# Allegro board RK_TABLET_DEMO1_RK3576_LP4XD200P132SD6_V12_20240530YWQ.brd (continued)
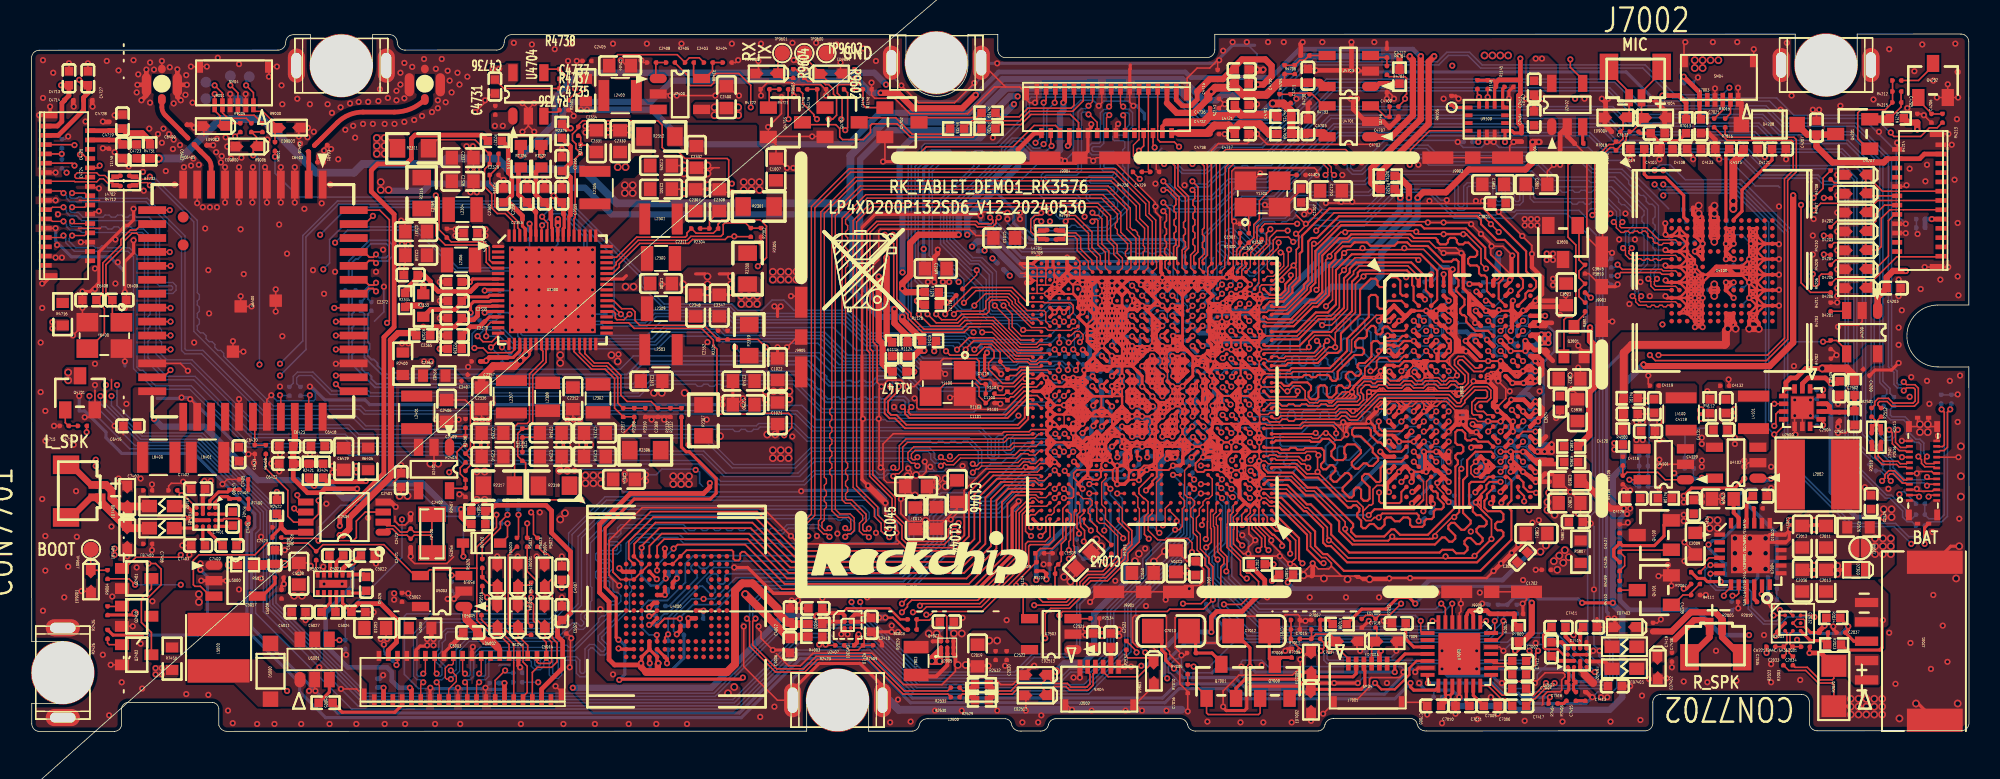
[diagram p0: board, top side]
## Routing (per net, layer and track width the routed paths; a pad name or vN(x,y) marks a point on that pad's centre or on a via; arc(x,y) is an arc through that point) (continued)
  BOTTOM w0.102: v1(76.23,8.51) 76.23,8.05 78.31,5.97 94.09,5.97 94.47,6.35 98.4,6.35 100.87,3.89 v1(100.87,3.83)
TP_INT: length 12.2
  TOP w0.102: J5000.35 32.31,3.81 32.64,4.14 33.56,4.14 33.91,4.5 33.91,5.71 33.61,6.02 33.61,8.86 33.12,9.35 ED5001.1 33.18,9.45 33.61,9.88 33.61,11.15 33.3,11.45 33.13,11.45 R5022.2
TP_INT_L: length 45.4
  TOP w0.102: R5022.1 32.39,12.75 32.39,13.99 v1(32.24,14.15) ; U1000.1AA22 67.22,27.07 67.22,27.51 67.03,27.7 65.33,27.7 65.28,27.74 64.21,27.74 63.27,28.68 60.68,28.68 v1(58.96,26.95)
  L4-SIG w0.089: 55,25.48 57.49,25.48 v1(58.96,26.95)
  L4-SIG w0.102: 55,25.48 49.96,20.45 47.07,20.45 44.48,17.86 33.86,17.86 33.15,17.14 33.15,15.06 v1(32.24,14.15)
TP_RST: length 9.8
  TOP w0.102: R5023.2 31.98,10.34 32.59,9.73 32.59,7.24 33.02,6.81 ED5000.1 33.12,6.2 33.56,5.77 33.56,4.5 33.45,4.39 32.72,4.39 32.61,4.5 J5000.36 32.61,5.08
TP_RST_L: length 43.3
  TOP w0.102: R5023.1 v1(31.98,13.44) ; U1000.1W23 v1(66.32,25.11)
  L4-SIG w0.089: 55,24.62 55.46,25.08 58.24,25.08 58.65,24.66 58.65,24.36 58.91,24.1 61.8,24.1 62.72,25.02 66.23,25.02 v1(66.32,25.11)
  L4-SIG w0.102: 55,24.62 50.42,20.04 47.27,20.04 44.68,17.45 34.06,17.45 33.56,16.94 33.56,13.99 32.95,13.39 32.03,13.39 v1(31.98,13.44)
TP_SCL/SPI_DI: length 9.2
  TOP w0.102: ED5002.1 31.39,6.18 32.01,5.56 J5000.34 ; ED5002.1 30.89,6.81 30.76,6.93 30.76,11.38 R5021.2 ; ED5002.1 31.95,6.25 R5018.2
TP_SDA/SPI_DO: length 10.2
  TOP w0.089: 31.71,4.48 31.71,5.45
  TOP w0.102: J5000.33 31.71,2.25 31.98,2.51 31.98,4.22 31.71,4.48 ; R5020.2 R5019.2 29.59,9.45 ED5003.1 30.07,9.4 30.56,8.91 30.56,6.6 31.71,5.45
TSADC_CTRL_M0: length 3
  TOP w0.089: 64.19,23.34 65.55,23.34 U1000.1R24
  TOP w0.102: R1107.2 63.14,22.99 63.53,22.99 63.88,23.34 64.19,23.34
TYPEC_CC1: length 13.5
  TOP w0.102: v1(122.41,15.16) 122.51,15.26 J2501.23 ; U2500.11 115.6,20.04 v1(115.6,19.79) 115.52,19.7 U2500.10
  L4-SIG w0.102: v1(115.6,19.79) 116.11,20.29 117.83,20.29 119.92,18.21 122.38,18.21 122.81,17.78 122.81,15.57 v1(122.41,15.16)
  BOTTOM w0.102: v1(115.6,19.79) 115.58,19.77 C2507.1
TYPEC_CC2: length 16
  TOP w0.102: U2500.14 115.6,21.79 v1(115.6,22.07) 115.55,22.12 U2500.1 ; v1(121.8,15.16) 121.69,15.26 J2501.2
  L4-SIG w0.102: v1(115.6,22.07) 116.41,22.07 120.07,18.41 122.48,18.41 123.02,17.88 123.02,14.96 122.71,14.66 122.3,14.66 v1(121.8,15.16)
  BOTTOM w0.102: v1(115.6,22.07) 115.22,22.07 C2506.1
TYPEC_DM: length 3.2
  TOP w0.102: R2516.2 119.31,18.68 L2501.1 119.31,18.22 119.15,18.06 119.15,17.79 119.49,17.45 120.42,17.45 120.58,17.29 120.98,17.29 121.05,17.36 J2501.8
TYPEC_DP: length 3.6
  TOP w0.102: R2510.2 118.76,18.68 L2501.3 118.76,18.3 118.95,18.11 118.95,17.7 119.41,17.25 120.34,17.25 120.5,17.09 120.94,17.09 121.01,17.01 J2501.7
TYPEC_DPTX_AUX_PUPDCTL1: length 66.6
  TOP w0.089: U1000.AL3 78.92,30.74 79.67,31.5
  TOP w0.102: 79.67,31.5 79.68,31.51 79.68,32.18 v1(79.94,32.44)
  L4-SIG w0.102: v1(79.94,32.44) 80.09,32.59 80.09,34.52 82.83,37.26 87.4,37.26 88.62,36.04 104.32,36.04 104.47,35.89 104.93,35.89 v1(105.29,36.25)
  BOTTOM w0.102: v1(105.29,36.25) 105.33,36.25 106.2,35.38 110.21,35.38 113.31,32.28 113.31,17.58 117.46,13.44 120.27,13.44 121.13,12.58 R2500.1
TYPEC_DPTX_AUX_PUPDCTL2: length 70.7
  TOP w0.089: U1000.AK1 79.96,29.67 79.74,29.89 79.74,30.54 80.27,31.07 80.27,31.07 80.44,31.24 80.44,31.5
  TOP w0.102: 80.44,31.5 80.44,31.55 v1(80.47,31.58)
  L4-SIG w0.102: v1(80.47,31.58) 80.47,31.59 80.29,31.77 80.29,34.37 82.32,36.4 87.96,36.4 88.52,35.84 104.17,35.84 104.32,35.69 104.93,35.69 v1(105.29,35.33) ; v1(121.29,12.12) 121.29,14.45 120.58,15.16 120.58,15.26 v1(120.53,15.32)
  BOTTOM w0.102: R2502.1 120.84,15.48 120.69,15.48 v1(120.53,15.32) ; v1(121.29,12.12) 120.17,13.23 117.38,13.23 113.11,17.5 113.11,32.18 110.11,35.18 105.44,35.18 v1(105.29,35.33)
TYPEC_SBU1: length 13.2
  TOP w0.102: J2501.15 123.07,18.06 123.15,18.14 123.4,18.14 123.62,18.36 123.62,20.62 v1(123.8,20.8)
  BOTTOM w0.102: R2503.1 123.88,20.88 v1(123.8,20.8) 123.62,20.62 123.62,13.89 123.32,13.59 123.3,13.59 123.25,13.54 122.4,13.54 C2500.2 R2500.2
TYPEC_SBU2: length 12.4
  TOP w0.102: v1(123.24,20.8) 123.42,20.62 123.42,18.51 123.31,18.4 123.08,18.4 123.07,18.41 J2501.14
  BOTTOM w0.102: R2504.1 123.22,20.83 v1(123.24,20.8) 123.42,20.62 123.42,13.99 123.17,13.74 122.42,13.74 C2501.2 R2502.2
TYPEC_TX1N: length 6.6
  TOP w0.102: v1(121.75,17.75) 121.95,17.55 121.95,17.31 122.17,17.09 122.76,17.09 122.84,17.01 J2501.18
  BOTTOM w0.102: v1(121.75,17.75) 121.9,17.91 121.9,18.54 121.77,18.67 121.51,18.67 120.98,19.19 120.98,19.94 120.8,20.12 119.96,20.12 119.74,20.34 119.74,20.81 C2508.2
TYPEC_TX1P: length 6.3
  TOP w0.102: v1(122.3,17.75) 122.15,17.6 122.15,17.4 122.25,17.3 122.76,17.3 122.83,17.36 J2501.17
  BOTTOM w0.102: v1(122.3,17.75) 122.1,17.96 122.1,18.63 121.85,18.87 121.59,18.87 121.19,19.28 121.19,20.02 120.88,20.33 120.04,20.33 119.94,20.43 119.94,20.81 C2509.2
TYPEC_TX2N: length 3.6
  TOP w0.102: J2501.5 121.07,16.31 120.99,16.24 120.8,16.24 120.2,16.84 119.84,16.84 119.59,16.58 119.59,16.36 v1(119.41,16.18)
  BOTTOM w0.102: C2510.2 119.27,16.84 119.56,16.55 119.56,16.33 v1(119.41,16.18)
TYPEC_TX2P: length 3.4
  TOP w0.102: J2501.4 120.99,15.96 120.92,16.04 120.72,16.04 120.12,16.64 119.92,16.64 119.79,16.5 119.79,16.36 v1(119.97,16.18)
  BOTTOM w0.102: C2511.2 119.45,16.95 119.76,16.64 119.76,16.38 v1(119.97,16.18)
UART0_RX: length 2.7
  TOP w0.102: 48.16,42.47 48.41,42.22 R9603.2 ; 48.16,42.47 48.12,42.51 ED9600.1 ; 48.16,42.47 48.16,43.54 TP9601.1
UART0_RX_M0_DEBUG: length 36.3
  TOP w0.089: 61.24,26.34 61.96,26.34 63.68,24.63 63.87,24.63 65.07,24.63 U1000.AA28
  TOP w0.102: v1(51.44,39.55) 51.69,39.55 51.95,39.8 51.95,40.97 51.74,41.17 51.74,41.48 51.44,41.78 51.23,41.78 51.03,41.99 50.1,41.99 R9604.1 49.31,42.77 R9603.1 ; v1(55.58,32.08) 55.83,31.83 55.83,27.91 56.75,27 56.75,26.82 57.58,25.98 60.02,25.98 60.38,26.34 61.24,26.34 61.24,26.34
  L4-SIG w0.102: v1(55.58,32.08) 55.23,32.44 54.23,32.44 53.52,33.15 53.5,33.15 48.09,38.56 48.09,39.95 48.44,40.31 50.73,40.31 51.44,39.6 v1(51.44,39.55)
UART0_TX: length 4.3
  TOP w0.102: TP9600.1 49.86,43.57 ED9601.1 50.96,42.42 51.39,41.99 52.88,41.99 R9602.2
UART0_TX_M0_DEBUG: length 37.7
  TOP w0.089: U1000.1U24 65.65,24.44 63.6,24.44 61.91,26.13 61.19,26.13
  TOP w0.102: v1(55.05,32.08) 55.63,31.5 55.63,27.83 56.55,26.92 56.55,26.72 57.48,25.78 60.18,25.78 60.53,26.13 61.19,26.13 ; R9602.1 53.44,42.44 53.44,41.85 53.37,41.78 52.1,41.78 52,41.68 52,41.22 52.3,40.92 52.3,39.6 v1(52.25,39.55)
  L4-SIG w0.102: v1(55.05,32.08) 54.28,32.08 47.88,38.48 47.88,40.11 48.29,40.51 51.39,40.51 52.25,39.65 v1(52.25,39.55)
UART4_CTSN_M1: length 63.1
  TOP w0.102: U6400.42 v1(19.64,26.47) ; v1(66.02,15.67) U1000.1C23
  L4-SIG w0.089: v1(66.02,15.67) 65.9,15.79 60.62,15.79 59.62,16.79 58.25,16.79 57.53,16.08 55.3,16.08 55,15.78
  L4-SIG w0.102: v1(19.64,26.47) 20.3,26.47 20.4,26.37 20.4,22.07 20.2,21.87 20.2,15.62 20.7,15.11 21.62,15.11 22.53,14.2 22.53,13.28 23.35,12.47 34.57,12.47 37.06,14.96 51.84,14.96 52.4,15.52 54.74,15.52 55,15.78
UART4_RTSN_M1: length 65.2
  TOP w0.102: U1000.B29 64.46,14.27 64.14,13.95 64.14,12.93 64.44,12.62 v1(64.49,12.62) ; U6400.43 20.77,27.36 v1(19.54,27.36)
  L4-SIG w0.102: v1(64.49,12.62) 62.92,14.2 57.23,14.2 56.98,13.94 37.57,13.94 34.57,10.95 23.35,10.95 18.67,15.62 18.67,26.49 v1(19.54,27.36)
UART4_RX_M1: length 61.1
  TOP w0.102: U1000.B28 65.02,14.27 64.75,14 64.48,14 64.34,13.86 64.34,13.33 v1(64.49,13.18) ; v1(19.64,24.67) U6400.40
  L4-SIG w0.089: 64.27,13.41 64.36,13.32
  L4-SIG w0.102: 64.36,13.32 v1(64.49,13.18) ; v1(19.64,24.67) 18.88,23.91 18.88,15.72 22.94,11.66 34.98,11.66 37.47,14.15 56.87,14.15 57.13,14.4 63.07,14.4 64.06,13.41 64.27,13.41
UART4_TX_M1: length 62.4
  TOP w0.102: U6400.41 v1(19.64,25.57) ; v1(66.02,15.07) U1000.1B23
  L4-SIG w0.089: 64.27,15.53 65.55,15.53 v1(66.02,15.07) ; 58.01,15.71 57.84,15.87 55.4,15.87 55.23,15.71
  L4-SIG w0.102: 64.27,15.53 62.79,15.53 62.27,15.01 58.7,15.01 58.01,15.71 ; 55.23,15.71 54.84,15.32 52.5,15.32 51.95,14.76 37.16,14.76 34.67,12.27 23.24,12.27 22.33,13.18 22.33,14.1 21.52,14.91 20.6,14.91 19.99,15.52 19.99,21.97 20.2,22.17 20.2,25.47 20.09,25.57 v1(19.64,25.57)
UFS_AVDD0V85: length 24.4
  TOP w0.229: U1000.2N2 v1(75.57,26.2)
  TOP w0.406: R1320.1 88.17,35.89 88.88,35.18 v1(88.88,34.47)
  BOTTOM w0.102: 79.56,26.34 79.63,26.27 79.63,25.67 79.43,25.48 76.61,25.48 C1302.1
  BOTTOM w0.152: 79.56,26.34 79,26.9 76.84,26.9 76.78,26.84 76.48,26.84 75.95,26.32 C1302.1
  BOTTOM w0.203: v1(75.57,26.2) 75.63,26.14 C1302.1
  BOTTOM w0.406: v1(88.88,34.47) 88.88,33.45 85.73,30.3 84.2,30.3 84.05,30.15 83.54,30.15 80.19,26.8 80.01,26.8
UFS_AVDD1V8: length 17.9
  TOP w0.229: U1000.2P2 v1(75.57,26.85)
  TOP w0.406: R1323.1 88.32,34.66 v1(88.32,34.47)
  BOTTOM w0.089: C1311.1 79.68,27.43 79.71,27.41
  BOTTOM w0.254: v1(75.57,26.85) 75.77,26.85 C1305.1 76.07,27.15 76.6,27.15 76.66,27.2 79.5,27.2 79.71,27.41
  BOTTOM w0.406: 79.71,27.41 80.04,27.41 82.98,30.35 82.98,30.86 83.85,31.72 86.39,31.72 88.32,33.65 v1(88.32,34.47)
UFS_REFCLK: length 31.2
  TOP w0.102: v1(102.34,29.44) 102.54,29.64 105.08,29.64 105.2,29.53 105.8,29.53 U4100.H1 ; v1(81.66,32.79) 79.58,32.79 79.38,32.59 R1306.2
  L4-SIG w0.102: v1(81.66,32.79) 81.51,32.94 81.51,33.3 82.83,34.62 87.4,34.62 87.61,34.82 90.2,34.82 90.6,34.42 90.6,34.01 90.71,33.91 97.36,33.91 101.83,29.44 v1(102.34,29.44)
  BOTTOM w0.102: C4109.1 102.31,29.41 v1(102.34,29.44)
UFS_RSTN: length 35.1
  TOP w0.089: 105.18,29.84 105.28,29.75 106.08,29.75 U4100.H2 ; 79.88,31.5 79.88,31.44 79.19,30.74 79.19,28.95 78.92,28.67 U1000.1AD2
  TOP w0.102: 105.18,29.84 102.64,29.84 v1(102.34,30.15) ; v1(81.05,32.35) 80.34,32.35 79.88,31.89 79.88,31.5
  L4-SIG w0.102: v1(102.34,30.15) 102.09,30.15 97.16,35.08 90.86,35.08 90.71,35.23 87.44,35.23 87.24,35.03 82.58,35.03 81,33.45 81,32.4 v1(81.05,32.35)
  BOTTOM w0.102: C4110.1 102.17,29.98 v1(102.34,30.15)
UFS_RX_D0N: length 46
  TOP w0.089: v1(104.32,29.23) 104.49,29.07 104.49,28.77 104.73,28.53 105.8,28.53 U4100.K1 ; v1(84.71,36.75) 84.89,36.94 84.89,37.17 84.7,37.36 77.14,37.36 76.67,36.89 76.67,30.27 U1000.AL7
  BOTTOM w0.089: v1(104.32,29.23) 104.47,29.39 104.47,29.74 104.76,30.03 104.76,30.29 104.62,30.43 104.62,30.7 104.76,30.83 104.76,31.1 104.62,31.23 104.62,31.5 104.76,31.63 104.76,31.9 104.62,32.03 104.62,32.3 104.76,32.44 104.76,32.7 104.62,32.84 104.62,33.1 104.76,33.24 104.76,33.87 104.57,34.06 104.38,34.06 104.19,34.24 104.19,34.43 104,34.62 103.81,34.62 103.62,34.81 103.62,35 103.43,35.19 103.24,35.19 103.05,35.38 103.05,35.57 102.53,36.09 100.65,36.09 99.55,37.19 90.47,37.19 90.02,37.65 87.54,37.65 85.88,35.99 85.22,35.99 84.89,36.31 84.89,36.57 v1(84.71,36.75)
UFS_RX_D0P: length 46.8
  TOP w0.089: U1000.AK8 76.45,29.95 76.45,36.98 77.05,37.59 84.79,37.59 85.12,37.26 85.12,36.91 v1(85.27,36.75) ; v1(104.88,29.23) 104.71,29.07 104.71,28.86 104.82,28.75 106.08,28.75 U4100.K2
  BOTTOM w0.089: v1(85.27,36.75) 85.12,36.6 85.12,36.41 85.31,36.21 85.79,36.21 87.44,37.87 90.11,37.87 90.57,37.41 99.65,37.41 100.74,36.32 102.62,36.32 104.98,33.96 104.98,29.93 104.7,29.65 104.7,29.42 v1(104.88,29.23)
UFS_RX_D1N: length 46.1
  TOP w0.089: v1(103.3,28.12) 103.32,28.12 103.5,27.93 103.5,27.75 103.72,27.53 104.19,27.53 104.3,27.43 104.45,27.43 104.55,27.53 104.7,27.53 104.8,27.43 104.96,27.43 105.06,27.53 105.21,27.53 105.31,27.43 105.46,27.43 105.57,27.53 105.8,27.53 U4100.M1 ; U1000.AL6 77.22,30.27 77.22,30.46 77.24,30.49 77.24,36.35 77.65,36.75 83.24,36.75 83.65,36.35 83.65,36.09 v1(83.49,35.94)
  BOTTOM w0.089: v1(83.49,35.94) 83.65,35.79 83.65,35.58 83.9,35.33 86.08,35.33 87.79,37.04 89.7,37.04 90.16,36.58 97.22,36.58 98.21,35.59 100.48,35.59 100.61,35.46 100.88,35.46 101.01,35.59 101.28,35.59 101.41,35.46 101.68,35.46 101.81,35.59 102.08,35.59 104.05,33.62 104.05,33.36 103.91,33.22 103.91,32.96 104.05,32.82 104.05,32.55 103.91,32.42 103.91,32.15 104.05,32.02 104.05,30.27 103.86,30.08 103.67,30.08 103.48,29.89 103.48,29.7 103.2,29.42 103.2,28.77 103.46,28.51 103.46,28.27 v1(103.3,28.12)
UFS_RX_D1P: length 46.9
  TOP w0.089: U4100.M2 106.08,27.75 103.82,27.75 103.73,27.84 103.73,27.97 103.86,28.1 v1(103.86,28.12) ; U1000.AK7 76.99,29.95 76.99,30.56 77.02,30.59 77.02,36.44 77.56,36.98 83.33,36.98 83.87,36.44 83.87,36.12 v1(84.05,35.94)
  BOTTOM w0.089: v1(84.05,35.94) 83.89,35.78 83.89,35.65 83.99,35.55 85.99,35.55 87.7,37.26 89.79,37.26 90.25,36.8 97.31,36.8 98.3,35.81 102.17,35.81 104.27,33.72 104.27,30.17 103.43,29.33 103.43,28.86 103.69,28.6 103.69,28.3 v1(103.86,28.12)
UFS_SOC_REFCLK: length 2.6
  TOP w0.089: U1000.AK4 78.37,29.7 78.64,29.97 78.64,30.53 78.67,30.56 78.67,30.93 79.23,31.5
  TOP w0.102: 79.23,31.5 79.38,31.64 R1306.1
UFS_TX_D0N: length 47.2
  TOP w0.089: U4100.F2 106.08,30.75 103.19,30.75 103.07,30.87 103.07,31.03 v1(103.25,31.22) ; v1(76.82,28.27) U1000.1AC6
  BOTTOM w0.089: v1(76.82,28.27) 76.81,28.27 76.49,28.6 76.49,30.01 76.96,30.48 76.96,30.61 76.46,31.1 76.46,31.42 76.68,31.64 76.99,31.64 77.62,31.01 77.73,31.01 77.81,31.08 77.81,31.19 77.03,31.98 77.03,32.27 77.24,32.48 77.53,32.48 79.08,30.94 79.19,30.94 79.27,31.02 79.27,31.13 77.98,32.42 77.98,32.86 78.74,33.62 80.4,33.62 81.62,34.84 86.27,34.84 87.62,36.19 96.8,36.19 97.82,35.18 101.94,35.18 103.56,33.56 103.56,32.58 103.07,32.09 103.07,31.4 v1(103.25,31.22)
UFS_TX_D0P: length 46.7
  TOP w0.089: U4100.F1 105.8,30.53 105.21,30.53 105.11,30.43 104.96,30.43 104.85,30.53 104.7,30.53 104.6,30.43 104.45,30.43 104.35,30.53 104.19,30.53 104.09,30.43 103.94,30.43 103.84,30.53 103.69,30.53 103.58,30.43 103.43,30.43 103.33,30.53 103.1,30.53 102.85,30.78 102.85,31.06 v1(102.7,31.22) ; v1(76.82,28.87) U1000.1AD6
  BOTTOM w0.089: v1(102.7,31.22) 102.85,31.37 102.85,32.18 103.34,32.67 103.34,33.47 102.78,34.02 102.59,34.02 102.4,34.21 102.4,34.4 101.85,34.95 101.59,34.95 101.45,34.82 101.18,34.82 101.05,34.95 100.78,34.95 100.65,34.82 100.38,34.82 100.25,34.95 99.98,34.95 99.85,34.82 99.58,34.82 99.44,34.95 99.18,34.95 99.04,34.82 98.78,34.82 98.64,34.95 97.73,34.95 96.71,35.97 87.71,35.97 86.36,34.62 81.71,34.62 80.5,33.4 78.83,33.4 78.56,33.13 78.56,32.99 78.45,32.88 78.31,32.88 78.2,32.77 78.2,32.51 79.49,31.22 79.49,30.92 79.28,30.71 78.99,30.71 77.44,32.26 77.33,32.26 77.25,32.18 77.25,32.07 78.04,31.29 78.04,30.99 77.83,30.78 77.53,30.78 76.9,31.41 76.77,31.41 76.69,31.32 76.69,31.2 77.18,30.7 77.18,30.39 77.07,30.28 77.07,30.13 76.96,30.03 76.82,30.03 76.71,29.92 76.71,29.72 76.81,29.62 76.81,29.46 76.71,29.36 76.71,28.98 v1(76.82,28.87)
UFS_TX_D1N: length 45.6
  TOP w0.089: v1(102.65,32.91) 102.48,32.74 102.48,32.63 102.57,32.54 104.22,32.54 105,31.75 106.08,31.75 U4100.D2 ; U1000.1AD5 v1(77.37,28.83)
  BOTTOM w0.089: v1(102.65,32.91) 102.5,33.06 102.5,33.66 101.74,34.42 97.01,34.42 96.92,34.51 96.92,35.11 96.66,35.38 96.25,35.38 96.03,35.16 96.03,34.32 95.94,34.23 95.76,34.23 95.67,34.32 95.67,35.21 95.45,35.43 95.09,35.43 94.87,35.21 94.87,34.32 94.78,34.23 94.6,34.23 94.52,34.32 94.52,35.21 94.3,35.43 92.63,35.43 92.41,35.21 92.41,33.97 92.32,33.88 92.14,33.88 92.05,33.97 92.05,35.21 91.71,35.56 87.88,35.56 86.02,33.71 83.35,33.71 82.82,34.23 81.98,34.23 80.89,33.15 79.42,33.15 78.92,32.65 78.92,32.29 79.89,31.32 79.89,30.72 78.8,29.63 78.67,29.63 78.1,30.21 77.79,30.21 77.52,29.95 77.52,28.98 77.37,28.83 v1(77.37,28.83)
UFS_TX_D1P: length 45.7
  TOP w0.089: U4100.D1 105.8,31.53 105.29,31.53 105.19,31.43 105.01,31.43 104.9,31.54 104.75,31.54 104.65,31.65 104.65,31.79 104.54,31.9 104.39,31.9 104.29,32.01 104.29,32.15 104.13,32.31 103.97,32.31 103.87,32.21 103.72,32.21 103.62,32.31 103.44,32.31 103.34,32.21 103.12,32.21 103.02,32.31 102.83,32.31 102.75,32.23 102.56,32.23 102.26,32.53 102.26,32.74 v1(102.09,32.91) ; U1000.1AD4 v1(77.97,28.83)
  BOTTOM w0.089: v1(77.97,28.83) 77.75,29.05 77.75,29.86 77.88,29.99 78,29.99 78.58,29.41 78.89,29.41 80.11,30.63 80.11,31.41 79.71,31.81 79.71,32 79.52,32.19 79.33,32.19 79.14,32.38 79.14,32.55 79.51,32.92 80.18,32.92 80.31,32.79 80.58,32.79 80.71,32.92 80.98,32.92 81.17,33.11 81.36,33.11 81.55,33.3 81.55,33.49 82.07,34.01 82.73,34.01 83.26,33.48 86.11,33.48 87.97,35.34 91.61,35.34 91.83,35.12 91.83,33.87 92.05,33.65 92.41,33.65 92.63,33.87 92.63,35.12 92.72,35.21 94.2,35.21 94.29,35.12 94.29,34.23 94.51,34.01 94.88,34.01 95.09,34.23 95.09,35.12 95.18,35.21 95.36,35.21 95.45,35.12 95.45,34.23 95.67,34.01 96.03,34.01 96.25,34.23 96.25,35.07 96.34,35.15 96.57,35.15 96.7,35.02 96.7,34.41 96.92,34.19 99.31,34.19 99.45,34.06 99.71,34.06 99.85,34.19 100.12,34.19 100.25,34.06 100.52,34.06 100.65,34.19 101.65,34.19 102.27,33.57 102.27,33.09 v1(102.09,32.91)
UFS_TX_REXT: length 1
  TOP w0.102: U1000.2R2 v1(75.57,27.5)
  BOTTOM w0.254: R1301.1 75.57,27.51 v1(75.57,27.5)
USB2_HOST1_DM: length 84.4
  TOP w0.102: v1(46.71,7.29) 46.54,7.11 46.54,5.59 48.09,4.04 49.81,4.04 50.63,4.85 54.08,4.85 56.31,2.62 59.11,2.62 R2531.1 ; v1(61.85,33.2) 62.03,33.02 62.03,32.89 61.93,32.79 61.12,32.79 60.97,32.94 54.54,32.94 53.9,32.31 53.9,24.64 54.08,24.46 54.08,16.48 55.53,15.04 55.53,13.92 56.16,13.28 56.16,12.44 56.53,12.07 58.89,12.07 59.36,12.54 59.36,12.98 59.46,13.08 59.64,13.08 v1(59.82,12.9)
  TOP w0.107: U1000.2T5 v1(72.97,28.15)
  BOTTOM w0.102: v1(59.82,12.9) 59.64,13.08 59.5,13.08 59.4,12.98 59.4,11.76 56.65,9.02 47.42,9.02 46.54,8.13 46.54,7.47 v1(46.71,7.29) ; v1(61.85,33.2) 62.03,33.02 62.03,32.84 63.88,30.99 68.67,30.99 68.79,30.87 69.1,30.87 69.21,30.99 69.52,30.99 69.63,30.87 69.94,30.87 70.06,30.99 70.36,30.99 70.48,30.87 70.78,30.87 70.9,30.99 71.2,30.99 71.32,30.87 71.63,30.87 71.74,30.99 72.05,30.99 72.16,30.87 72.47,30.87 72.59,30.99 73.17,30.99 73.46,30.7 73.46,30.11 73.34,30 73.34,29.69 73.46,29.58 73.46,28.82 73.21,28.56 73.21,28.38 v1(72.97,28.15)
USB2_HOST1_DP: length 84.1
  TOP w0.102: v1(59.82,13.46) 59.64,13.28 59.38,13.28 59.16,13.06 59.16,12.62 58.81,12.27 56.61,12.27 56.37,12.52 56.37,13.37 55.73,14 55.73,15.12 54.28,16.57 54.28,24.54 54.1,24.72 54.1,32.22 54.62,32.74 60.89,32.74 61.04,32.59 62.01,32.59 62.23,32.81 62.23,33.02 v1(62.41,33.2) ; R2530.1 59.13,2.41 56.23,2.41 54,4.65 50.71,4.65 49.9,3.83 48,3.83 46.33,5.5 46.33,7.11 v1(46.15,7.29)
  TOP w0.107: U1000.2T4 v1(73.62,28.15)
  BOTTOM w0.102: v1(46.15,7.29) 46.33,7.47 46.33,8.21 47.34,9.22 56.57,9.22 59.19,11.84 59.19,13.06 59.41,13.28 59.64,13.28 v1(59.82,13.46) ; v1(62.41,33.2) 62.23,33.02 62.23,32.92 63.96,31.19 73.26,31.19 73.66,30.78 73.66,28.7 73.43,28.47 73.43,28.33 v1(73.62,28.15)
USB2_HOST1_REXT: length 1
  TOP w0.102: U1000.2U8 v1(71.02,28.8)
  BOTTOM w0.089: R1402.1 70.82,28.99 v1(71.02,28.8)
USB2_HOST_PWREN_H: length 133.1
  TOP w0.089: U1000.1AA23 v1(66.62,26.47)
  TOP w0.102: v1(64.09,9.42) 63.99,9.32 63.99,7.49 64.19,7.28 U2503.4
  L4-SIG w0.102: v1(16.03,23.75) 14.91,22.63 14.91,14.81 16.34,13.39 18.82,13.39 19.33,12.88 19.33,11.45 22.84,7.95 27.77,7.95 29.04,9.22 33.25,9.22 33.56,8.91 33.56,8.2 33.66,8.1 35.69,8.1 36.05,8.46 37.87,8.46 38.48,9.07 38.48,9.32 40.16,11 42.04,11 43.06,9.98 47.07,9.98 47.73,10.64 62.87,10.64 v1(64.09,9.42)
  BOTTOM w0.089: 65.9,25.75 65.47,25.32 60.73,25.32 60.33,25.73 57.03,25.73 ; 66.66,26.47 v1(66.62,26.47) 66.62,26.48
  BOTTOM w0.102: v1(66.62,26.47) 65.9,25.75 ; 57.03,25.73 54.21,25.73 52.74,27.2 49.2,27.2 48.54,27.86 47.78,27.86 47.12,27.2 45.6,27.2 45.19,27.61 40.82,27.61 39.5,28.93 39.5,29.44 34.68,34.26 19.73,34.26 17.5,32.03 17.5,25.22 v1(16.03,23.75)
USB2_OTG0_DM: length 77.7
  TOP w0.102: U1000.AL9 75.55,30.29 75.55,30.43 75.87,30.76 75.87,36.6 75.42,37.06 75.06,37.06 v1(74.91,37.21) ; R2513.1 119.14,21.09 119.14,21.21 119.24,21.31 119.73,21.31 120.04,21.01 121.49,21.01 121.75,21.26 121.75,22.17 121.52,22.4 120.98,22.4 v1(120.81,22.57)
  BOTTOM w0.102: v1(74.91,37.21) 75.09,37.03 75.51,37.03 76.4,37.92 79.34,37.92 83.56,42.14 102.24,42.14 103.97,40.41 111.92,40.41 113.04,39.29 117.71,39.29 120.02,36.99 120.02,23.63 120.37,23.27 120.37,22.5 120.48,22.4 120.63,22.4 v1(120.81,22.57)
USB2_OTG0_DP: length 77.9
  TOP w0.102: v1(120.81,22.01) 120.98,22.19 121.44,22.19 121.54,22.09 121.54,21.34 121.41,21.21 120.12,21.21 119.81,21.51 119.15,21.51 118.93,21.29 118.93,21.09 R2512.1 ; v1(74.91,36.65) 75.11,36.85 75.33,36.85 75.67,36.52 75.67,32.53 75.55,32.41 75.55,32.11 75.67,31.99 75.67,31.69 75.55,31.57 75.55,31.26 75.67,31.15 75.67,30.84 75.34,30.52 75.34,29.94 U1000.AK9
  BOTTOM w0.102: v1(120.81,22.01) 120.63,22.19 120.39,22.19 120.17,22.41 120.17,23.19 119.81,23.55 119.81,36.91 117.63,39.09 112.96,39.09 111.84,40.21 103.88,40.21 102.15,41.93 83.65,41.93 79.43,37.72 76.48,37.72 75.59,36.83 75.09,36.83 v1(74.91,36.65)
USB2_OTG0_REXT: length 1.3
  TOP w0.102: U1000.2R3 v1(74.92,27.5)
  BOTTOM w0.089: 74.45,28.17 R1401.1 74.45,27.96 v1(74.92,27.5)
USB2_OTG0_VBUSDET: length 4.7
  TOP w0.102: U1000.2P3 v1(74.92,26.85)
  BOTTOM w0.089: v1(74.92,26.85) 74.58,27.18 74.58,27.48 74.15,27.91 74.15,29.06 C1404.1 R2517.1
  BOTTOM w0.102: R2514.1 74.4,30.03 R2517.1
USB2_OTG_AVDD1V8: length 18
  TOP w0.229: U1000.2P4 v1(73.62,26.85)
  L4-SIG w0.254: v1(73.62,26.85) 73.64,26.85 74.02,27.23 74.02,28.49 73.84,28.68 73.84,30.3
  L4-SIG w0.305: v1(61.5,31.06) 61.9,31.47 67.22,31.47 67.62,31.06 73.08,31.06 73.84,30.3
  BOTTOM w0.305: v1(61.5,31.06) 61.48,31.04 R1409.1 ; C1406.1 73.78,27 v1(73.62,26.85)
USB2_OTG_AVDD3V3: length 15.7
  TOP w0.229: U1000.2P7 v1(71.67,26.85)
  BOTTOM w0.305: v1(71.67,26.85) 71.69,26.85 ; 71.69,26.85 71.7,26.85 ; 71.69,26.85 C1408.1 ; C1408.1 72.11,27.16 72.47,27.52 72.47,29.44 71.96,29.95 64.04,29.95 61.75,32.23 R1412.1 ; C1408.1 72.01,27.15
USB2_OTG_DVDD0V75: length 15.8
  TOP w0.203: U1000.2P5 v1(72.97,26.85)
  L4-SIG w0.089: 72.62,29.72 72.61,29.7
  L4-SIG w0.152: 72.61,29.7 72.6,29.69 72.6,27.22 v1(72.97,26.85)
  L4-SIG w0.305: v1(62,30.56) 62.51,31.06 67.02,31.06 67.42,30.66 71.86,30.66 72.67,29.84 72.67,29.79
  BOTTOM w0.229: v1(72.97,26.85) 72.69,26.56 C1405.1
  BOTTOM w0.305: R1407.1 v1(62,30.56)
USB3_OTG0_DP_TX_REXT: length 0.9
  TOP w0.102: U1000.2T7 v1(71.67,28.15)
  BOTTOM w0.089: R1400.1 71.97,28.45 v1(71.67,28.15)
USB3_OTG0_SSRX1N/DP_TX_D0N: length 74.3
  TOP w0.102: v1(74.91,35.53) 75.26,35.18 75.26,30.96 75,30.69 75,30.29 U1000.AL10 ; v1(119.87,19.48) 120.07,19.28 120.07,18.58 120.51,18.14 120.9,18.14 120.98,18.06 J2501.10
  BOTTOM w0.102: v1(119.87,19.48) 120.04,19.3 120.04,19.16 119.89,19.01 119.63,19.01 118.9,19.74 118.9,36.48 117.21,38.18 112.58,38.18 111.47,39.29 103.1,39.29 102.03,40.36 83.51,40.36 79.9,36.75 77.21,36.75 75.81,35.36 75.09,35.36 v1(74.91,35.53)
USB3_OTG0_SSRX1P/DP_TX_D0P: length 74.9
  TOP w0.102: v1(74.91,34.98) 75.06,34.82 75.06,34.42 74.94,34.3 74.94,34 75.06,33.88 75.06,33.58 74.94,33.46 74.94,33.15 75.06,33.04 75.06,32.73 74.94,32.62 74.94,32.31 75.06,32.19 75.06,31.89 74.94,31.77 74.94,31.47 75.06,31.35 75.06,31.05 74.79,30.78 74.79,29.94 U1000.AK10 ; v1(120.42,19.48) 120.27,19.33 120.27,18.67 120.6,18.34 120.96,18.34 121.03,18.41 J2501.11
  BOTTOM w0.102: v1(74.91,34.98) 75.09,35.15 75.9,35.15 76.7,35.95 76.86,35.95 77.08,36.17 77.08,36.33 77.3,36.55 77.6,36.55 77.72,36.43 78.02,36.43 78.14,36.55 78.44,36.55 78.56,36.43 78.86,36.43 78.98,36.55 79.99,36.55 83.59,40.16 101.95,40.16 103.02,39.09 111.38,39.09 112.5,37.97 117.12,37.97 118.7,36.4 118.7,19.65 119.54,18.8 119.97,18.8 120.25,19.08 120.25,19.3 v1(120.42,19.48)
USB3_OTG0_SSRX2N/DP_TX_D2N: length 78.5
  TOP w0.102: U1000.AL12 73.9,30.29 73.9,31.22 74.04,31.37 74.04,34.52 v1(73.03,35.53) ; v1(122.3,16.43) 122.42,16.31 J2501.20
  BOTTOM w0.102: v1(73.03,35.53) 73.21,35.36 73.43,35.36 73.74,35.05 73.74,34.72 73.89,34.57 76.13,34.57 77.24,35.69 79.65,35.69 83.76,39.8 101.63,39.8 102.7,38.73 111.21,38.73 112.33,37.62 116.85,37.62 118.34,36.13 118.34,19.28 120.12,17.5 120.12,17.04 120.91,16.26 122.13,16.26 v1(122.3,16.43)
USB3_OTG0_SSRX2P/DP_TX_D2P: length 79.2
  TOP w0.102: J2501.21 122.39,15.96 v1(122.3,15.87) ; v1(73.03,34.98) 73.3,34.98 73.84,34.43 73.84,34.03 73.72,33.91 73.72,33.61 73.84,33.49 73.84,33.14 73.72,33.02 73.72,32.72 73.84,32.6 73.84,32.3 73.72,32.18 73.72,31.87 73.84,31.76 73.84,31.45 73.69,31.3 73.69,29.94 U1000.AK12
  BOTTOM w0.102: v1(73.03,34.98) 73.21,35.15 73.35,35.15 73.54,34.97 73.54,34.64 73.81,34.37 74.11,34.37 74.23,34.25 74.53,34.25 74.65,34.37 74.96,34.37 75.07,34.25 75.38,34.25 75.49,34.37 76.21,34.37 76.43,34.58 76.59,34.58 76.81,34.8 76.81,34.96 77.33,35.48 79.73,35.48 83.85,39.6 101.54,39.6 102.61,38.53 111.13,38.53 112.25,37.41 116.77,37.41 118.14,36.04 118.14,19.19 119.92,17.42 119.92,16.96 120.82,16.05 122.13,16.05 v1(122.3,15.87)
USB3_OTG0_SSTX1N/DP_TX_D1N: length 74.5
  TOP w0.102: U1000.AK11 74.24,29.95 74.24,31.09 74.45,31.3 74.45,31.61 74.33,31.72 74.33,32.03 74.45,32.14 74.45,32.45 74.33,32.57 74.33,32.87 74.45,32.99 74.45,34.47 73.77,35.15 73.77,36.55 73.51,36.8 73.23,36.8 v1(73.08,36.65)
  BOTTOM w0.102: v1(73.08,36.65) 73.26,36.83 73.46,36.83 74.25,36.04 75.82,36.04 76.89,37.11 79.73,37.11 84,41.38 101.75,41.38 103.47,39.65 111.64,39.65 112.75,38.53 117.38,38.53 119.26,36.65 119.26,22.53 119.71,22.07 119.71,21.79 C2508.1
